# KiCad board RADAR_Main_Boardq.kicad_pcb (continued)
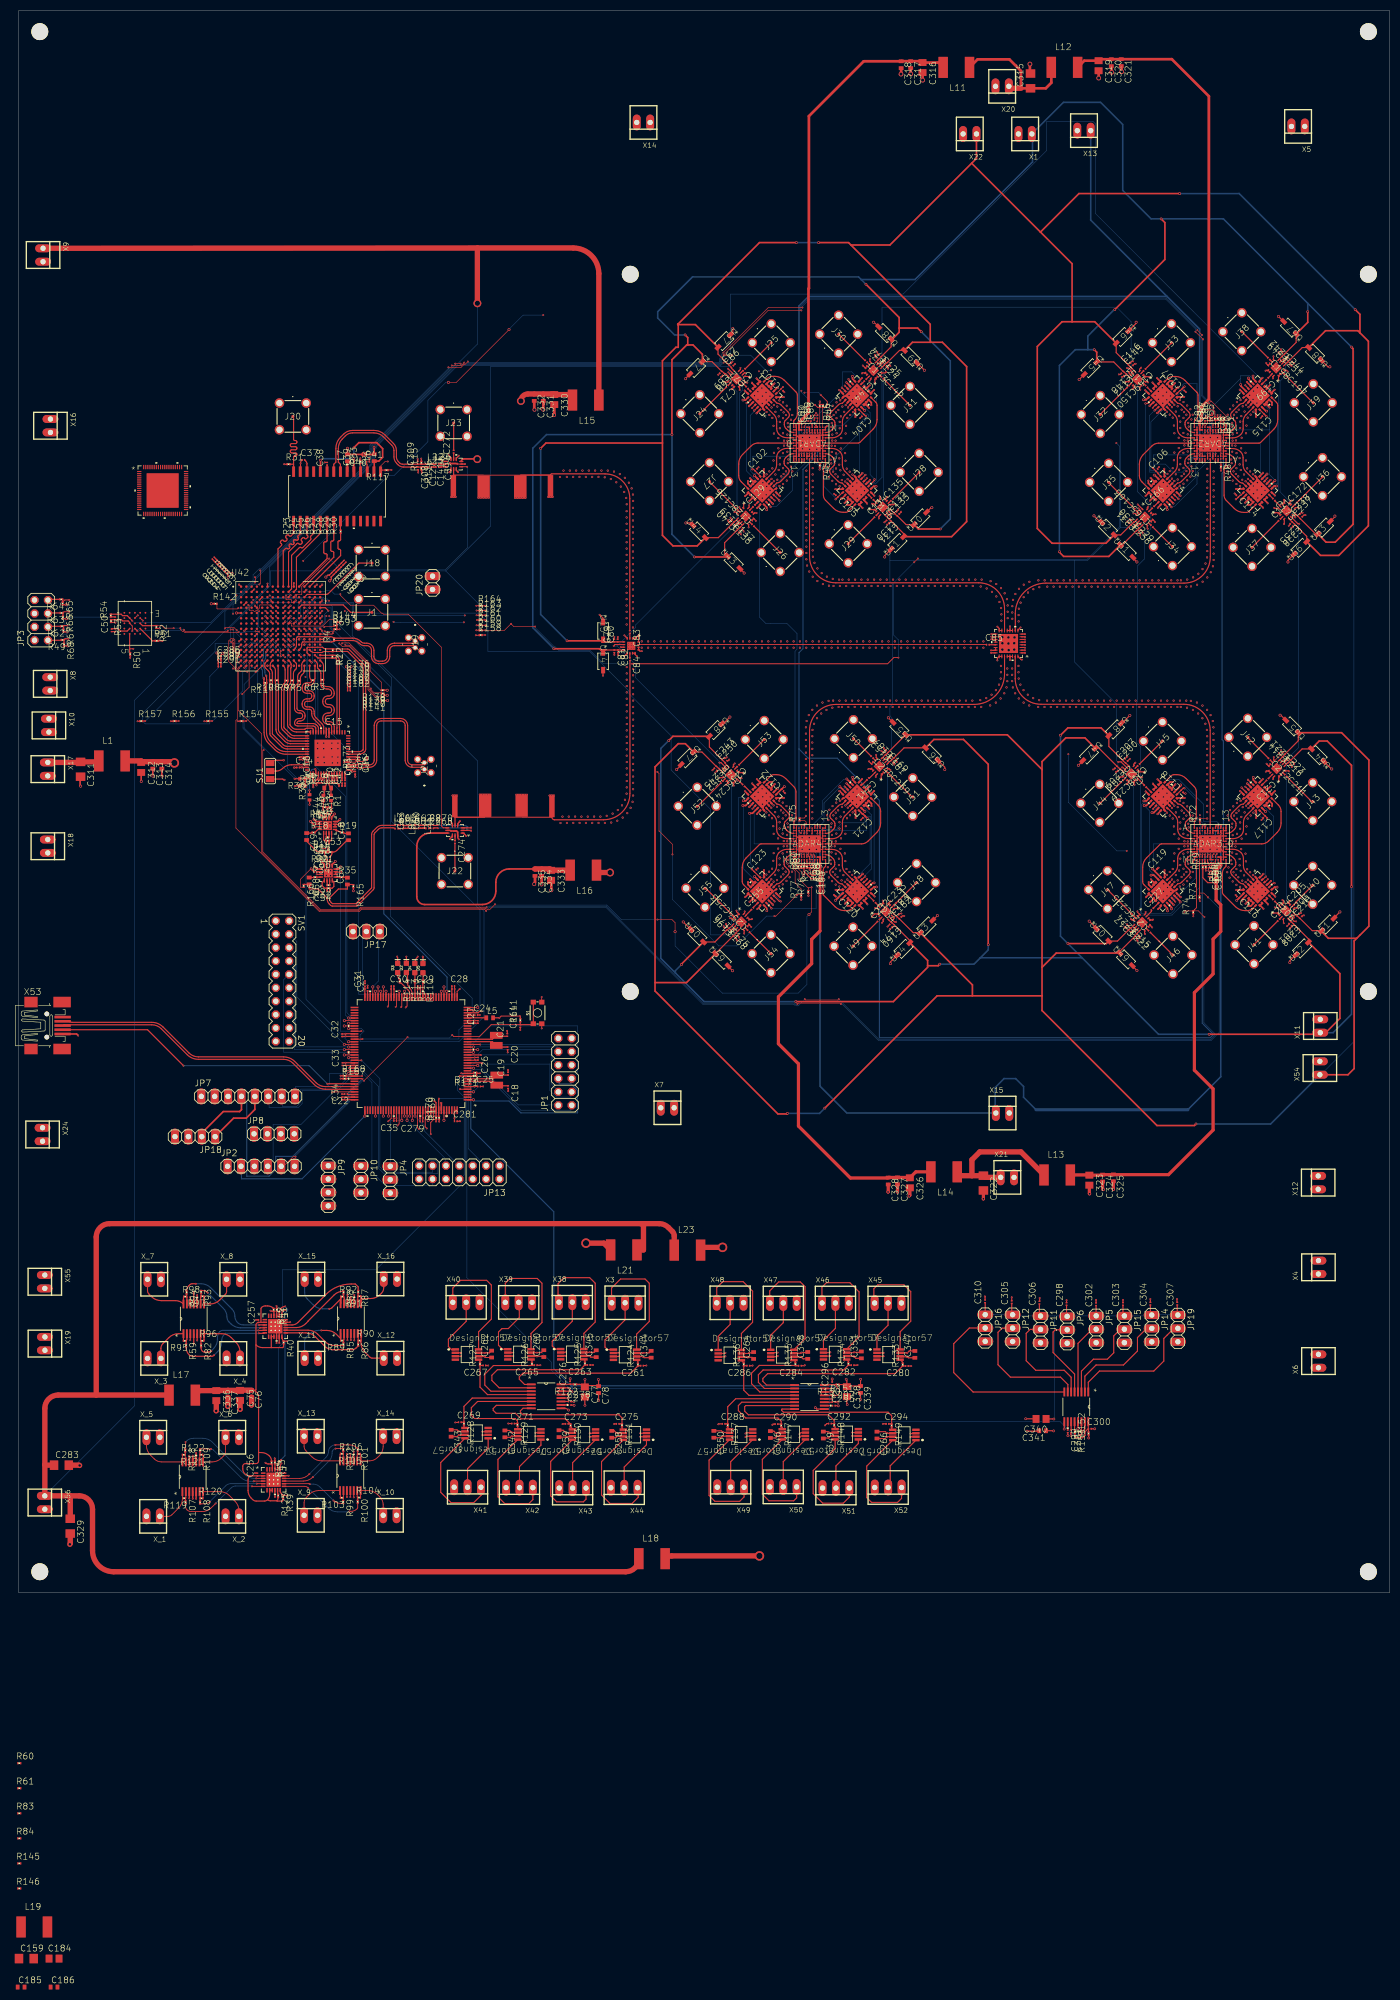
[diagram p0: board, top side]
## Routing (per net, layer and track width the routed paths; a pad name or vN(x,y) marks a point on that pad's centre or on a via; arc(x,y) is an arc through that point) (continued)
  Top w0.204: C71.2 129.19,223.56 J24.1
N$130: length 0.5
  Top w0.204: RF_SW_1.3 136.73,204.96 C126.2
N$131: length 0.8
  Top w0.204: C129.1 138.72,205.34 RF_SW_1.15
N$132: length 0.5
  Top w0.204: C128.1 RF_SW_1.10
N$133: length 7.1
  Top w0.204: C126.1 131.04,210.65 J27.1
N$134: length 7.1
  Top w0.204: J26.1 144.44,197.24 C128.2
N$135: length 0.5
  Top w0.204: C134.2 163.04,204.66 RF_SW_2.3
N$136: length 0.8
  Top w0.204: C136.1 162.12,207.24 RF_SW_2.15
N$137: length 0.6
  Top w0.204: C135.1 165.42,207.05 RF_SW_2.10
N$138: length 7.1
  Top w0.204: C134.1 157.34,198.96 J29.1
N$139: length 7.1
  Top w0.204: C135.2 170.81,212.43 J28.1
N$140: length 0.5
  Top w0.204: C142.2 163.64,230.59 RF_SW_4.3
N$141: length 0.7
  Top w0.204: C144.1 161.25,230.6 RF_SW_4.15
N$142: length 0.5
  Top w0.204: RF_SW_4.10 C143.1
N$143: length 7.2
  Top w0.204: C142.1 169.04,225.17 J31.1
N$144: length 7.1
  Top w0.204: C143.2 160.5,233.67 J30.1
N$145: length 0.6
  Top w0.204: RF_SW_7.3 213.36,231.68 C149.2
N$146: length 0.6
  Top w0.204: C151.1 213.37,229.28 RF_SW_7.15
N$147: length 0.6
  Top w0.204: RF_SW_7.10 210.98,229.28 C150.1
N$148: length 7
  Top w0.204: J33.1 218.65,236.97 C149.1
N$149: length 7.2
  Top w0.204: J32.1 205.15,223.45 C150.2
N$150: length 0.6
  Top w0.204: RF_SW_5.3 212.05,205.14 C163.2
N$151: length 0.8
  Top w0.204: C166.1 214.46,205.11 RF_SW_5.15
N$152: length 0.5
  Top w0.204: RF_SW_5.10 214.41,202.78 C165.1
N$153: length 7.1
  Top w0.204: J35.1 206.75,210.46 C163.1
N$154: length 5.3
  Top w0.204: C165.2 218.84,198.35 J34.1
N$155: length 0.5
  Top w0.204: RF_SW_6.3 239.34,203.62 C171.2
N$156: length 1.6
  Top w0.204: C173.1 238.26,207.05 RF_SW_6.15
N$157: length 0.5
  Top w0.204: RF_SW_6.10 242.05,206.33 C172.1
N$158: length 7.1
  Top w0.204: J37.1 233.94,198.24 C171.1
N$159: length 6.9
  Top w0.204: C172.2 247.3,211.57 J36.1
N$160: length 0.6
  Top w0.204: RF_SW_8.3 239.69,231.44 C197.2
N$161: length 1
  Top w0.204: C199.1 237.68,231.03 RF_SW_8.15
N$162: length 0.6
  Top w0.204: C198.1 237.3,233.82 RF_SW_8.10
N$163: length 7.2
  Top w0.204: J39.1 245.52,225.61 C197.1
N$164: length 7
  Top w0.204: C198.2 232.01,239.11 J38.1
N$165: length 0.5
  Top w0.204: C204.2 239.17,127.75 RF_SW_10.3
N$166: length 1.4
  Top w0.204: RF_SW_10.15 239.19,130.17 C206.1
N$167: length 0.5
  Top w0.204: C205.1 241.52,130.11 RF_SW_10.10
N$168: length 6.4
  Top w0.204: C204.1 234.31,122.9 J41.1
N$169: length 4.7
  Top w0.204: J40.1 242.24,130.95 C205.2
N$170: length 0.5
  Top w0.204: C211.2 239.78,155.49 RF_SW_12.3
N$171: length 1
  Top w0.204: C213.1 237.05,154.41 RF_SW_12.15
N$172: length 0.5
  Top w0.204: C212.1 237.79,157.49 RF_SW_12.10
N$173: length 6.9
  Top w0.204: J43.1 245.25,150.02 C211.1
N$174: length 5.6
  Top w0.204: C212.2 233.13,162.15 J42.1
N$175: length 0.5
  Top w0.204: RF_SW_11.3 212.22,156.79 C218.2
N$176: length 1.9
  Top w0.204: RF_SW_11.15 213.49,153.15 C220.1
N$177: length 0.6
  Top w0.204: RF_SW_11.10 209.48,154.04 C219.1
N$178: length 6.2
  Top w0.204: C218.1 212.59,157.15 J45.1
N$179: length 5.7
  Top w0.204: C219.2 205.13,149.71 J44.1
N$180: length 0.5
  Top w0.204: C225.2 211.57,128.27 RF_SW_9.3
N$181: length 1.6
  Top w0.204: RF_SW_9.15 214.84,129.18 C227.1
N$182: length 0.5
  Top w0.204: C226.1 214.28,125.55 RF_SW_9.10
N$183: length 6.6
  Top w0.204: C225.1 206.53,133.32 J47.1
N$184: length 6.1
  Top w0.204: J46.1 218.92,120.93 C226.2
N$185: length 0.5
  Top w0.204: RF_SW_14.3 163.26,127.65 C232.2
N$186: length 1.2
  Top w0.204: C234.1 163.29,130.07 RF_SW_14.15
N$187: length 0.6
  Top w0.204: C233.1 166.01,130.39 RF_SW_14.10
N$188: length 6.6
  Top w0.204: C232.1 158.25,122.64 J49.1
N$189: length 5.5
  Top w0.204: J48.1 170.29,134.66 C233.2
N$190: length 0.6
  Top w0.204: RF_SW_16.3 164.81,155.51 C239.2
N$191: length 1.6
  Top w0.204: C241.1 161.39,154.5 RF_SW_16.15
N$192: length 0.6
  Top w0.204: C240.1 162.44,157.87 RF_SW_16.10
N$193: length 6.2
  Top w0.204: J51.1 169.44,150.89 C239.1
N$194: length 4.7
  Top w0.204: C240.2 158.37,161.94 J50.1
N$195: length 0.5
  Top w0.204: C246.2 136.27,156.64 RF_SW_15.3
N$196: length 1.5
  Top w0.204: C248.1 136.28,154.28 RF_SW_15.15
N$197: length 0.6
  Top w0.204: C247.1 133.54,153.91 RF_SW_15.10
N$198: length 6.8
  Top w0.204: J53.1 141.42,161.78 C246.1
N$199: length 6.3
  Top w0.204: C247.2 128.77,149.14 J52.1
N$200: length 0.6
  Top w0.204: RF_SW_13.3 C253.2
N$201: length 1.6
  Top w0.204: RF_SW_13.15 137.87,128.42 C255.1
N$202: length 0.6
  Top w0.204: RF_SW_13.10 C254.1
N$203: length 7
  Top w0.204: C253.1 130.29,133.59 J55.1
N$204: length 5.8
  Top w0.204: C254.2 142.7,121.18 J54.1
N$205: length 1.1
  Top w0.204: U69.21 48.6,24.46 arc(48.6,24.47) R43.2
N$206: length 1.8
  Top w0.204: OPA_4.2 61.7,48.11 arc(61.67,47.96) R89.1 61.59,47.41 arc(61.59,47.4) R85.1
N$207: length 24.6
  Top w0.2: X3.1 112.45,55.03 112.45,57.8 114.15,59.5 118.8,59.5 119.6,58.7 119.6,51.45 117.2,49.05 U11.8
N$208: length 1.9
  Top w0.204: OPA_4.6 arc(64.37,49.08) 64.4,48.95 R90.1 64.4,47.34 arc(64.39,47.33) R86.1
N$209: length 11.8
  Top w0.2: U11.1 111.68,46.12 111.2,46.6 111.2,47.95 115.02,51.77 X3.2
N$210: length 0.7
  Top w0.2: R124.2 117.45,43.92 U11.5
N$211: length 27.1
  Top w0.2: C261.2 117.5,43.06 R124.1 116.08,41.65 95.65,41.65 94.95,40.95 94.95,40.5 95.95,39.5 97.2,39.5 U10.1
N$212: length 24.9
  Top w0.2: X38.1 102.3,55.27 102.3,58.6 103.45,59.75 108.3,59.75 109.35,58.7 109.35,51.35 107.2,49.2 U73.8
N$213: length 2
  Top w0.204: OPA_4.9 64.3,56.07 arc(64.32,56.16) R91.2 64.37,56.73 arc(64.37,56.77) R87.2
N$214: length 11.7
  Top w0.2: X38.2 105,51.5 101.2,47.7 101.2,46.8 101.78,46.22 U73.1
N$215: length 0.6
  Top w0.2: R125.2 107.4,44.07 U73.5
N$216: length 1.9
  Top w0.204: R88.2 61.59,56.23 arc(61.6,56.2) R92.2 arc(61.71,56.02) 61.75,55.84 61.75,54.94 arc(61.74,54.87) OPA_4.13
N$217: length 28
  Top w0.2: C263.2 107.41,43.21 R125.1 106.48,42.3 90.8,42.3 89.75,41.25 89.75,40.25 91.12,38.88 U10.2
N$218: length 24.7
  Top w0.2: U74.8 97.17,49.17 99.25,51.25 99.25,58.7 98.35,59.6 93.2,59.6 92.29,58.69 X39.1
N$219: length 12.6
  Top w0.2: X39.2 94.95,54.96 94.95,52.2 92.85,50.1 91.65,50.1 91,49.45 91,46.95 91.75,46.2 U74.1
N$220: length 0.6
  Top w0.2: U74.5 97.35,44.07 R126.2
N$221: length 0.9
  Top w0.204: R41.2 48.94,52.59 arc(48.93,52.55) U7.21
N$222: length 2
  Top w0.204: OPA_2.2 31.9,48.11 arc(31.86,47.93) R95.1 31.77,47.27 arc(31.76,47.23) R59.1
N$223: length 21.5
  Top w0.2: C265.2 97.35,43.16 R126.1 97.28,43.1 90.05,43.1 88.4,41.45 88.4,39.4 89.57,38.23 U10.3
N$224: length 2
  Top w0.204: OPA_2.6 34.5,47.93 arc(34.52,47.84) R96.1 34.56,47.22 arc(34.57,47.18) R82.1
N$225: length 24.2
  Top w0.2: U75.8 87.22,49.47 89.65,51.9 89.65,58.35 88.75,59.25 83.8,59.25 82.33,57.78 X40.1
N$226: length 11.4
  Top w0.2: X40.2 84.87,51.47 81.5,48.1 81.5,46.7 82.1,46.1 82.77,46.1 U75.1
N$227: length 0.7
  Top w0.2: U75.5 87.5,43.93 R127.2
N$228: length 2.1
  Top w0.204: OPA_2.9 34.5,56 arc(34.52,56.12) R97.2 34.59,56.79 arc(34.59,56.8) R93.2
N$229: length 15
  Top w0.2: C267.2 87.5,43.11 R127.1 87.5,39 88.92,37.58 U10.4
N$230: length 22.8
  Top w0.2: U76.8 80.05,24.71 80.05,19.05 82,17.1 86.3,17.1 87.75,18.55 87.75,19.95 X41.1
N$231: length 1.9
  Top w0.204: R94.2 31.84,56.18 arc(31.84,56.18) R98.2 arc(31.88,56.1) 31.9,56.01 OPA_2.13
N$232: length 10.9
  Top w0.2: U76.1 89.04,27.44 85.13,23.53 X41.2
N$233: length 0.6
  Top w0.2: R128.2 84.45,31.45 U76.5
N$234: length 17
  Top w0.2: U10.5 86.03,36.93 84.45,35.35 R128.1 84.44,32.34 C269.2
N$235: length 22.2
  Top w0.2: U77.8 90.9,25.3 90.9,18.2 92.25,16.85 96.7,16.85 97.52,17.67 X42.1
N$236: length 10.8
  Top w0.2: U77.1 99.06,28.01 94.98,23.93 X42.2
N$237: length 0.6
  Top w0.2: R129.2 94.66,31.57 U77.5
N$238: length 1.9
  Top w0.15: OPA_3.2 61.6,18.16 arc(61.59,18.09) R103.1 61.54,17.49 arc(61.54,17.48) R99.1
N$239: length 23.6
  Top w0.2: C271.2 94.56,32.09 R129.1 94.6,32.6 94.15,33.05 86.45,33.05 85.85,33.65 85.85,35.1 87.03,36.28 U10.6
N$240: length 1.9
  Top w0.15: OPA_3.6 64.2,18.28 arc(64.22,18.16) R104.1 64.28,17.57 arc(64.29,17.55) R100.1
N$241: length 21.8
  Top w0.2: U78.8 100.9,24.92 100.9,18.4 102.05,17.25 107.1,17.25 107.6,17.75 X43.1
N$242: length 11
  Top w0.2: X43.2 105.06,24.68 U78.1
N$243: length 0.6
  Top w0.2: R130.2 105.02,31.13 U78.5
N$244: length 1.9
  Top w0.15: OPA_3.9 64.2,26.15 arc(64.22,26.25) R105.2 arc(64.29,26.36) 64.3,26.39 R101.2
N$245: length 24.1
  Top w0.2: U10.7 97.15,35.55 90.6,35.55 90,34.95 90,34.6 90.55,34.05 94.2,34.05 95.25,33 103.66,33 R130.1 104.62,32.04 C273.2
N$246: length 22.1
  Top w0.2: X44.1 117.5,19.81 117.5,18.1 116.35,16.95 112.15,16.95 110.55,18.55 110.55,24.87 U79.8
N$247: length 1.9
  Top w0.15: R102.2 61.55,26.38 arc(61.55,26.38) R106.2 61.55,25.13 arc(61.57,25.07) OPA_3.13
N$248: length 10.8
  Top w0.2: U79.1 119.07,28.07 114.85,23.85 X44.2
N$249: length 0.7
  Top w0.2: U79.5 114.43,31.19 R131.2
N$250: length 24
  Top w0.2: C275.2 114.42,32.04 R131.1 114.43,33.17 113.85,33.75 95.65,33.75 95.15,34.25 95.15,34.5 95.65,35 97.2,35 U10.8
N$251: length 1.4
  Top w0.2: U10.10 104.2,35.63 arc(104.24,35.62) C277.1
N$252: length 2.4
  Top w0.2: U10.16 104.48,39.53 arc(104.53,39.54) C276.1 105.17,39.57 arc(105.23,39.56) R132.2
N$253: length 1.4
  Top w0.2: U10.11 104.27,36.28 arc(104.27,36.28) C278.1
N$254: length 1.8
  Top w0.15: OPA_1.2 31.7,18.11 arc(31.68,18.01) R119.1 31.62,17.5 arc(31.63,17.46) R107.1
N$255: length 22.4
  Top w0.2: U80.8 167.19,49.49 169.2,51.5 169.2,57.1 167.9,58.4 162.95,58.4 162.2,57.65 162.2,55.11 X45.1
N$256: length 1.8
  Top w0.15: R108.1 arc(34.4,17.39) 34.41,17.4 R120.1 34.41,18.93 arc(34.38,19.06) OPA_1.6
N$257: length 9.7
  Top w0.2: X45.2 164.89,50.74 162.79,48.64 U80.1
N$258: length 0.9
  Top w0.2: U80.5 167.67,43.72 R133.2
N$259: length 34.9
  Top w0.2: C280.2 167.67,43.01 R133.1 166.2,41.55 142.05,41.55 141.15,40.65 141.15,40.1 141.86,39.39 U88.1
N$260: length 2
  Top w0.15: R109.2 34.4,26.29 arc(34.39,26.23) R121.2 34.35,24.95 arc(34.34,24.88) OPA_1.9
N$261: length 23
  Top w0.2: X46.1 152.35,54.97 152.35,57.95 153.2,58.8 157.65,58.8 159.4,57.05 159.4,48.55 U81.8
N$262: length 9.7
  Top w0.2: X46.2 154.91,50.16 152.64,47.89 U81.1
N$263: length 1.9
  Top w0.15: R118.2 31.58,26.18 arc(31.58,26.18) R122.2 31.57,25.12 arc(31.61,24.96) OPA_1.13
N$264: length 0.7
  Top w0.2: R134.2 157.37,43.91 U81.5
N$265: length 27.2
  Top w0.2: U88.2 141.46,38.74 140.3,39.9 140.3,41.35 141.2,42.25 156.45,42.25 R134.1 157.38,43.16 C282.2
N$266: length 22.9
  Top w0.2: U82.8 149.15,48.2 149.15,58.05 148.25,58.95 144.15,58.95 142.45,57.25 142.45,54.99 X47.1
N$267: length 9.9
  Top w0.2: U82.1 142.63,48.83 145.03,51.23 X47.2
N$268: length 0.6
  Top w0.2: U82.5 147.32,43.84 R135.2
N$269: length 20.4
  Top w0.2: U88.3 140.56,38.09 139,39.65 139,41.65 140.47,43.12 R135.1 147.38,43.06 C284.2
N$270: length 22.9
  Top w0.2: X48.1 132.4,57.85 133.55,59 137.4,59 139.2,57.2 139.2,51.3 137.08,49.18 U83.8
N$271: length 9.9
  Top w0.2: U83.1 132.68,48.63 134.94,50.89 X48.2
N$272: length 0.7
  Top w0.2: R136.2 137.52,43.64 U83.5
N$273: length 15.3
  Top w0.2: U88.4 138.51,37.44 137.52,38.43 R136.1 137.53,43.06 C286.2
N$274: length 21.5
  Top w0.2: X49.1 137.58,18.18 136.75,17.35 132.05,17.35 130.95,18.45 130.95,25.16 U84.8
N$275: length 10.7
  Top w0.2: U84.1 135.04,24.86 X49.2
N$276: length 0.7
  Top w0.2: U84.5 134.48,31.34 R137.2
N$277: length 17.1
  Top w0.2: C288.2 134.47,32.04 R137.1 134.48,35.28 135.99,36.79 U88.5
N$278: length 21.3
  Top w0.2: U85.8 141.05,25.31 141.05,18.7 142.3,17.45 147,17.45 147.56,18.01 X50.1
N$279: length 10.7
  Top w0.2: X50.2 145.02,24.88 U85.1
N$280: length 0.5
  Top w0.2: U85.5 144.82,31.28 R147.2
N$281: length 22.1
  Top w0.2: U88.6 137.14,36.14 136.5,35.5 136.5,34.55 137.9,33.15 144,33.15 144.63,32.52 R147.1 144.62,31.99 C290.2
N$282: length 21.8
  Top w0.2: X51.1 157.55,18.15 156.4,17 152.5,17 150.7,18.8 150.7,23.2 154.86,27.36 U86.8
N$283: length 11
  Top w0.2: X51.2 155.01,24.06 159.26,28.31 U86.1
N$284: length 0.6
  Top w0.2: U86.5 154.86,31.4 R148.2
N$285: length 29.3
  Top w0.2: U88.7 147.16,35.5 137.9,35.5 137.7,35.3 137.7,34.45 138.4,33.75 153.6,33.75 154.68,32.67 R148.1 154.67,32.09 C292.2
N$286: length 22.3
  Top w0.2: U87.8 160.85,24.03 160.85,18.05 161.75,17.15 166.7,17.15 167.46,17.91 X52.1
N$287: length 11.2
  Top w0.2: U87.1 165.3,24.08 165.3,20.35 X52.2
N$288: length 0.7
  Top w0.2: U87.5 165.58,31.1 R149.2
N$289: length 26.1
  Top w0.2: C294.2 165.53,32.04 R149.1 165.58,33.57 164.9,34.25 145.05,34.25 144.7,34.6 144.7,34.75 144.79,34.84 U88.8
N$290: length 1.6
  Top w0.2: U88.10 154.34,35.49 arc(154.36,35.49) C295.1
N$291: length 5.4
  Top w0.15: R151.2 155.33,37.43 155.7,37.8 155.7,38.5 155.07,39.13 R150.2
  Top w0.2: R150.2 154.35,39.49 arc(154.32,39.48) C296.1 152.99,39.47 arc(152.89,39.45) U88.16
N$292: length 1.6
  Top w0.2: U88.11 154.28,36.14 arc(154.33,36.15) C297.1
N$293: length 1.4
  Top w0.2: U88.13 154.18,37.44 arc(154.2,37.44) R151.1
N$294: length 1.7
  Top w0.2: R153.1 200.28,30.79 U89.12
N$295: length 13.8
  Top w0.204: JP5.2 203.61,49.98 200.92,47.3 U89.4
N$296: length 15.9
  Top w0.204: U89.5 200.28,41.47 196.2,45.55 196.2,49.45 196.62,49.87 JP6.2
N$297: length 25.6
  Top w0.204: U89.1 202.88,39.93 205,42.05 215.3,42.05 217.2,43.95 217.2,48.23 219.11,50.14 JP19.2
N$298: length 25.5
  Top w0.204: JP12.2 186.54,50.19 185.75,49.4 185.75,43.25 188.1,40.9 197.6,40.9 199,39.5 199,38.1 U89.7
N$299: length 22.7
  Top w0.204: 202.22,38.74 U89.2 202.22,41.08 204.35,43.2 209.55,43.2 212.2,45.85 212.2,48.4 213.93,50.13 JP14.2 214.16,50.13 214.16,49.74
N$300: length 1.5
  Top w0.204: L24.1 arc(77.15,144.99) 77.06,145.01 C60.1 arc(76.68,144.98) 76.64,144.98 L2.2 75.92,144.98 arc(75.86,144.96) C61.2
N$301: length 35.2
  Top w0.204: JP16.2 180.31,50.21 177.35,47.25 177.35,41.75 181.02,38.08 U89.8
N$302: length 1.6
  Top w0.2: U89.10 198.98,32.44 C299.1
N$303: length 6.3
  Top w0.2: 202.88,31.15 202.25,30.52 202.25,29.85 201.8,29.4 200.6,29.4 200.33,29.67 R153.2 ; 202.88,31.15 C300.1 R152.2 ; 202.88,31.15 U89.16
N$304: length 1.6
  Top w0.2: U89.11 199.62,30.93 C301.1
N$305: length 1.4
  Top w0.204: L28.1 arc(77.15,145.53) 77.07,145.51 C60.2 arc(76.7,145.52) 76.68,145.53 L2.1 75.88,145.53 arc(75.84,145.53) C62.2
N$306: length 20.8
  Top w0.204: JP11.2 191.85,49.95 191.1,49.2 191.1,44 192.9,42.2 198.3,42.2 199.62,40.88 U89.6
N$307: length 17.3
  Top w0.204: U89.3 201.57,42.03 203.85,44.3 206.5,44.3 207.7,45.5 207.7,48.71 208.96,49.97 JP15.2
N$308: length 0.4
  Top w0.204: L24.2 78.13,144.94 arc(78.14,144.94) C268.1
N$309: length 0.4
  Top w0.204: C270.1 L28.2
PA_BIAS1_1: length 18.6
  Top w0.152: v1(144.97,228.65) 144.97,228.64 C103.1 143.7,227.37 ADTR1107_3.7
  Top w0.2: v1(148.53,214.48) 148.53,214.98 ADAR1_0.A10
  In7.Cu w0.1: v1(148.53,214.48) 147,216 147,222.5 147.5,223 147.5,226.25 145,228.75 v1(144.97,228.65)
PA_BIAS1_2: length 34.6
  Top w0.2: ADTR1107_7.7 220.25,227.95 220.35,227.95 C107.1 221.1,228.7 v2(221.12,228.7) ; ADAR2_0.A10 v1(224.5,214.57)
  Bottom w0.1: v2(221.12,228.7) 221,228.75 221,228.25 214.75,222 214.75,212.75 215.25,212.75 215.5,213 215.5,214 217.5,214 218.75,212.75 218.75,212.5 220.75,212.5 222.5,214.25 222.5,215 224.25,215 224.5,214.75 v1(224.5,214.57) 224.5,214.5
PA_BIAS1_3: length 20.2
  Top w0.2: v1(227.57,145.45) 227.5,145.38 ADAR3_0.A10
  Top w0.3: v3(231.03,131.3) 231.05,131.3 C116.1 232.33,132.59 ADTR1107_10.7
  In7.Cu w0.1: v1(227.57,145.45) 227.5,145.5 227.5,145.75 227.25,146 227,146 226.5,145.5 226.5,144.5 228.5,142.5 228.5,133.75 231,131.25 v3(231.03,131.3)
PA_BIAS1_4: length 33.2
  Top w0.15: ADAR4_0.A10 v1(151.5,145.45)
  Top w0.3: ADTR1107_14.7 156.26,132.63 C120.1 155.31,131.69 v3(154.92,131.3)
  Bottom w0.1: v1(151.5,145.45) 151.5,145.5 152.25,144.75 155.25,144.75 155.25,145 156.25,146 160.5,146 160.5,147 160.75,147.25 161.5,147.25 161.5,138.25 155,131.75 155,131.5 v3(154.92,131.3)
PA_BIAS2_1: length 15.4
  Top w0.2: ADAR1_0.A9 v1(149,214.48) ; v2(139.15,213.03) 139.38,213.03 C102.1 140.63,211.77 ADTR1107_1.7
  Bottom w0.1: v1(149,214.48) 149,214.5 148,215.5 139.25,215.5 139.25,213 v2(139.15,213.03)
PA_BIAS2_2: length 15.8
  Top w0.2: ADTR1107_5.7 216.1,212.2 216.1,212.29 C106.1 215.12,213.26 v2(215.12,213.3) ; v1(224.97,214.57) 225,214.6 ADAR2_0.A9
  Bottom w0.1: v1(224.97,214.57) 225,214.5 225,214.75 224.5,215.25 222.25,215.25 221.75,215.75 215.25,215.75 215.25,213.25 v2(215.12,213.3)
PA_BIAS2_3: length 13.8
  Top w0.2: v1(227.1,145.45) 227,145.35 ADAR3_0.A9 ; v2(236.8,146.85) 236.8,146.93 C117.1 236.39,147.32 ADTR1107_12.7
  In7.Cu w0.1: v1(227.1,145.45) 227.25,145.5 227.25,145.25 228,144.5 234.5,144.5 236.75,146.75 v2(236.8,146.85)
PA_BIAS2_4: length 15.5
  Top w0.15: v1(151.03,145.45) 151,145.43 ADAR4_0.A9
  Top w0.3: v3(160.95,146.85) 160.95,146.86 C121.1 160.13,147.68 160.03,147.68 ADTR1107_16.7
  Bottom w0.1: v3(160.95,146.85) 160.75,146.75 160.75,144.5 151.75,144.5 151,145.25 151,145.5 v1(151.03,145.45)
PA_BIAS3_1: length 11.3
  Top w0.2: v2(154.95,207.35) 155.33,207.73 C105.1 156.24,208.63 ADTR1107_2.7 ; ADAR1_0.A5 v1(151,214.48)
  Bottom w0.1: v1(151,214.48) 151,214.5 152.75,212.75 152.75,209.75 155,207.5 v2(154.95,207.35)
PA_BIAS3_2: length 11.8
  Top w0.2: ADTR1107_6.7 231.8,208.1 231.69,208.1 C114.1 230.94,207.35 v2(230.88,207.35) ; v1(226.97,214.57) 227,214.6 ADAR2_0.A5
  In5.Cu w0.1: v1(226.97,214.57) 227,214.5 227,212.25 229.75,209.5 229.75,207.5 230.75,207.5 v2(230.88,207.35)
PA_BIAS3_3: length 11.2
  Top w0.2: v2(221.1,152.55) 220.87,152.55 C118.1 220.45,152.15 ADTR1107_11.7 ; ADAR3_0.A5 225,145.35 v1(225.1,145.45)
  Bottom w0.1: v2(221.1,152.55) 221.25,152.5 223.25,150.5 223.25,147.25 225,145.5 v1(225.1,145.45)
PA_BIAS3_4: length 12.2
  Top w0.15: ADAR4_0.A5 149,145.43 v1(149.03,145.45)
  Top w0.3: v3(145.22,152.85) 145.19,152.85 C122.1 144.66,152.37 ADTR1107_15.7
  In5.Cu w0.1: v1(149.03,145.45) 149,145.5 149,147 146.25,149.75 146.25,152.75 145.25,152.75 v3(145.22,152.85)
PA_BIAS4_1: length 18.7
  Top w0.2: v1(151.53,214.48) 151.53,214.98 ADAR1_0.A4 ; v2(160.71,223.06) 160.7,223.05 160.32,223.43 C104.1 159.4,224.33 ADTR1107_4.7
  Bottom w0.1: 151.5,214.5 v1(151.53,214.48) 153,213 154.5,213 154.5,215 159.25,219.75 159.25,221.5 160.75,223 v2(160.71,223.06)
PA_BIAS4_2: length 15.3
  Top w0.2: ADAR2_0.A4 v1(227.5,214.57) ; v2(236.67,223.05) 236.26,223.46 C115.1 235.38,224.33 ADTR1107_8.7
  In5.Cu w0.1: v1(227.5,214.57) 227.5,214.5 229.75,216.75 230.5,216.75 230.75,217 231,217 236.5,222.5 236.5,223 v2(236.67,223.05)
PA_BIAS4_3: length 19.5
  Top w0.2: ADAR3_0.A4 224.5,145.38 v1(224.57,145.45)
  Top w0.3: ADTR1107_9.7 215.51,136.79 C119.1 215.5,136.83 v3(215.07,137.25)
  Bottom w0.1: v3(215.07,137.25) 215.25,137.25 215.25,142 222.75,142 224.5,143.75 224.5,145.5 v1(224.57,145.45)
PA_BIAS4_4: length 15.7
  Top w0.15: ADAR4_0.A4 v1(148.5,145.45)
  Top w0.2: ADTR1107_13.7 140.59,135.67 C123.1 139.06,137.2 v2(139.05,137.2)
  In5.Cu w0.1: v1(148.5,145.45) 148.5,145.5 146.25,143.25 145.5,143.25 145.25,143 145,143 139.25,137.25 139,137.25 v2(139.05,137.2)
RF_IO: length 1.2
  Top w0.204: U16.21 185.3,179.76 C85.2
RF_IO_1: length 65.3
  Top w0.204: U16.14 186.99,186.6 arc(185.55,190.07) 182.09,191.5 155,191.5 arc(151.46,192.96) 150,196.5 ADAR1_0.A7
RF_IO_2: length 65
  Top w0.204: U16.10 189.05,182.5 189.03,182.5 ; 189.03,182.5 189.03,185.64 arc(190.73,189.74) 194.83,191.44 221.02,191.44 arc(224.56,192.9) 226.02,196.44 226.02,214.94 ADAR2_0.A7 ; 189.03,182.5 189.03,182.39
RF_IO_3: length 65.4
  Top w0.204: 189.01,177.5 189.05,177.5 U16.31 ; 189.01,177.5 189.01,177.52 ; 189.01,177.5 189.01,173.37 arc(190.45,169.9) 193.91,168.47 221,168.47 arc(224.54,167.01) 226,163.47 ADAR3_0.A7 226,144.97
RF_IO_4: length 65
  Top w0.204: 150,144.94 ADAR4_0.A7 150,163.44 arc(151.46,166.98) 155,168.44 181.19,168.44 arc(185.29,170.14) 186.99,174.24 186.99,177.49 187,177.5 U16.27
RF_RX: length 1.6
  Top w0.204: U$3.P$1 82.75,147.04 U13.5
RF_RX_FIL: length 43.1
  Top w0.204: C84.2 115.93,151.57 arc(114.47,148.03) 110.93,146.57 101.63,146.57 arc(101.28,146.72) U$3.P$2
RF_TX: length 1.2
  Top w0.204: U5.5 82.49,212.02 arc(82.48,211.96) U$2.P$2
RF_TX_FIL: length 42.9
  Top w0.204: C83.1 115.91,207.46 arc(114.54,210.78) 111.22,212.15 101.1,212.15 arc(100.93,212.08) U$2.P$1
RX1_1: length 8.9
  Top w0.204: ADTR1107_3.2 143.24,223.38 arc(143.63,222.79) 143.77,222.11 143.77,220.75 arc(143.89,220.14) 144.23,219.63 arc(144.93,219.16) 145.76,219 ADAR1_0.J13
RX1_2: length 9
  Top w0.204: 223.01,218.98 223,218.98 ; 223,218.98 ADAR2_0.J13 ; 223,218.98 221.77,218.98 arc(220.94,219.14) 220.24,219.61 arc(219.9,220.12) 219.78,220.73 219.78,222.09 arc(219.64,222.77) 219.25,223.36 217.86,224.76 ; 217.86,224.76 217.85,224.75 ADTR1107_7.2 ; 217.86,224.76 217.84,224.77
RX1_3: length 9.1
  Top w0.204: 234.19,135.24 234.2,135.25 ADTR1107_10.2 ; 234.19,135.24 232.83,136.6 arc(232.44,137.19) 232.3,137.87 232.3,139.23 arc(232.18,139.84) 231.84,140.35 arc(231.14,140.82) 230.31,140.98 229.07,140.98 ADAR3_0.J13 ; 234.19,135.24 234.24,135.19
RX1_4: length 9.1
  Top w0.204: 158.12,135.22 158.15,135.25 ADTR1107_14.2 ; 158.12,135.22 158.17,135.17 ; 158.12,135.22 156.76,136.58 arc(156.37,137.17) 156.23,137.85 156.23,139.21 arc(156.11,139.82) 155.77,140.33 arc(155.07,140.8) 154.24,140.96 153,140.96 ADAR4_0.J13
RX2_1: length 9
  Top w0.204: ADAR1_0.C13 146.96,215.99 arc(146.3,215.86) 145.75,215.49 145.49,215.23 arc(145.26,214.89) 145.18,214.48 145.18,214.12 arc(145.22,213.92) 145.34,213.74 145.98,213.1 arc(146.1,212.93) 146.14,212.72 arc(146.07,212.38) 145.87,212.08 144.54,210.75 arc(144.19,210.52) 143.78,210.44 143.2,209.85 ; 143.2,209.85 ADTR1107_1.2 ; 143.2,209.85 143.17,209.82
RX2_2: length 9.1
  Top w0.204: 219.18,209.8 ADTR1107_5.2 ; ADTR1107_5.2 219.24,209.86 ; ADTR1107_5.2 219.25,209.85 219.24,209.86 ; ADAR2_0.C13 222.97,215.97 arc(222.31,215.84) 221.76,215.47 221.5,215.21 arc(221.27,214.87) 221.19,214.46 221.19,214.1 arc(221.23,213.9) 221.35,213.72 221.99,213.08 arc(222.11,212.91) 222.15,212.7 arc(222.08,212.36) 221.88,212.06 220.55,210.73 arc(220.2,210.5) 219.79,210.42 219.24,209.86
RX2_3: length 9.2
  Top w0.204: 232.85,150.1 232.8,150.15 ADTR1107_12.2 ; 232.85,150.1 232.9,150.16 ; 232.85,150.1 232.29,149.54 arc(231.88,149.46) 231.53,149.23 230.2,147.9 arc(230,147.6) 229.93,147.26 arc(229.97,147.05) 230.09,146.88 230.73,146.24 arc(230.85,146.06) 230.89,145.86 230.89,145.5 arc(230.81,145.09) 230.58,144.75 230.32,144.49 arc(229.77,144.12) 229.11,143.99 229.05,144 ADAR3_0.C13
RX2_4: length 9.1
  Top w0.204: ADAR4_0.C13 153.04,143.97 arc(153.7,144.1) 154.25,144.47 154.51,144.73 arc(154.74,145.07) 154.82,145.48 154.82,145.84 arc(154.78,146.04) 154.66,146.22 154.02,146.86 arc(153.9,147.03) 153.86,147.24 arc(153.93,147.58) 154.13,147.88 155.46,149.21 arc(155.81,149.44) 156.22,149.52 156.82,150.13 ; ADTR1107_16.2 156.8,150.15 156.82,150.13 ; 156.82,150.13 156.83,150.14
RX3_1: length 9
  Top w0.204: ADAR1_0.E1 153,216.98 154.24,216.98 arc(155.07,216.82) 155.77,216.35 arc(156.11,215.84) 156.23,215.23 156.23,213.87 arc(156.37,213.19) 156.76,212.6 158.13,211.23 ; 158.17,211.19 158.13,211.23 ; 158.13,211.23 158.15,211.25 ADTR1107_2.2
RX3_2: length 9.1
  Top w0.204: 234.18,211.17 234.12,211.22 ; 234.12,211.22 234.15,211.25 ADTR1107_6.2 ; 234.12,211.22 232.77,212.58 arc(232.38,213.17) 232.24,213.85 232.24,215.21 arc(232.12,215.82) 231.78,216.33 arc(231.08,216.8) 230.25,216.96 229.01,216.96 ADAR2_0.E1
RX3_3: length 9.1
  Top w0.204: 223.07,143 ADAR3_0.E1 221.83,143 arc(221,143.16) 220.3,143.63 arc(219.96,144.14) 219.84,144.75 219.84,146.11 arc(219.7,146.79) 219.31,147.38 217.9,148.79 217.85,148.75 ADTR1107_11.2
RX3_4: length 9
  Top w0.204: 141.85,148.75 ADTR1107_15.2 ; 141.85,148.75 141.83,148.77 ; 141.85,148.75 143.24,147.36 arc(143.63,146.77) 143.77,146.09 143.77,144.73 arc(143.89,144.12) 144.23,143.61 arc(144.93,143.14) 145.76,142.98 147,142.98 ADAR4_0.E1
RX4_1: length 9
  Top w0.204: 156.81,226.14 156.8,226.15 ADTR1107_4.2 ; 156.81,226.14 156.83,226.16 ; 156.81,226.14 156.22,225.54 arc(155.81,225.46) 155.46,225.23 154.13,223.9 arc(153.93,223.6) 153.86,223.26 arc(153.9,223.05) 154.02,222.88 154.66,222.24 arc(154.78,222.06) 154.82,221.86 154.82,221.5 arc(154.74,221.09) 154.51,220.75 154.25,220.49 arc(153.7,220.12) 153.04,219.99 ADAR1_0.L1
RX4_2: length 9.1
  Top w0.204: ADAR2_0.L1 229.05,219.97 arc(229.71,220.1) 230.26,220.47 230.52,220.73 arc(230.75,221.07) 230.83,221.48 230.83,221.84 arc(230.79,222.04) 230.67,222.22 230.03,222.86 arc(229.91,223.03) 229.87,223.24 arc(229.94,223.58) 230.14,223.88 231.47,225.21 arc(231.82,225.44) 232.23,225.52 232.83,226.12 ; ADTR1107_8.2 232.8,226.15 232.83,226.12 ; 232.84,226.14 232.83,226.12
RX4_3: length 9
  Top w0.204: 219.26,133.84 219.25,133.85 ADTR1107_9.2 ; 219.26,133.84 219.85,134.44 arc(220.26,134.52) 220.61,134.75 221.94,136.08 arc(222.14,136.38) 222.21,136.72 arc(222.17,136.93) 222.05,137.1 221.41,137.74 arc(221.29,137.92) 221.25,138.12 221.25,138.48 arc(221.33,138.89) 221.56,139.23 221.82,139.49 arc(222.36,139.85) 223,139.99 ; 219.26,133.84 219.24,133.82 ; ADAR3_0.L1 223,139.99 ; 223,139.99 arc(223.02,139.99) 223.03,139.99
